# KiCad board uMule_board.kicad_pcb (continued)
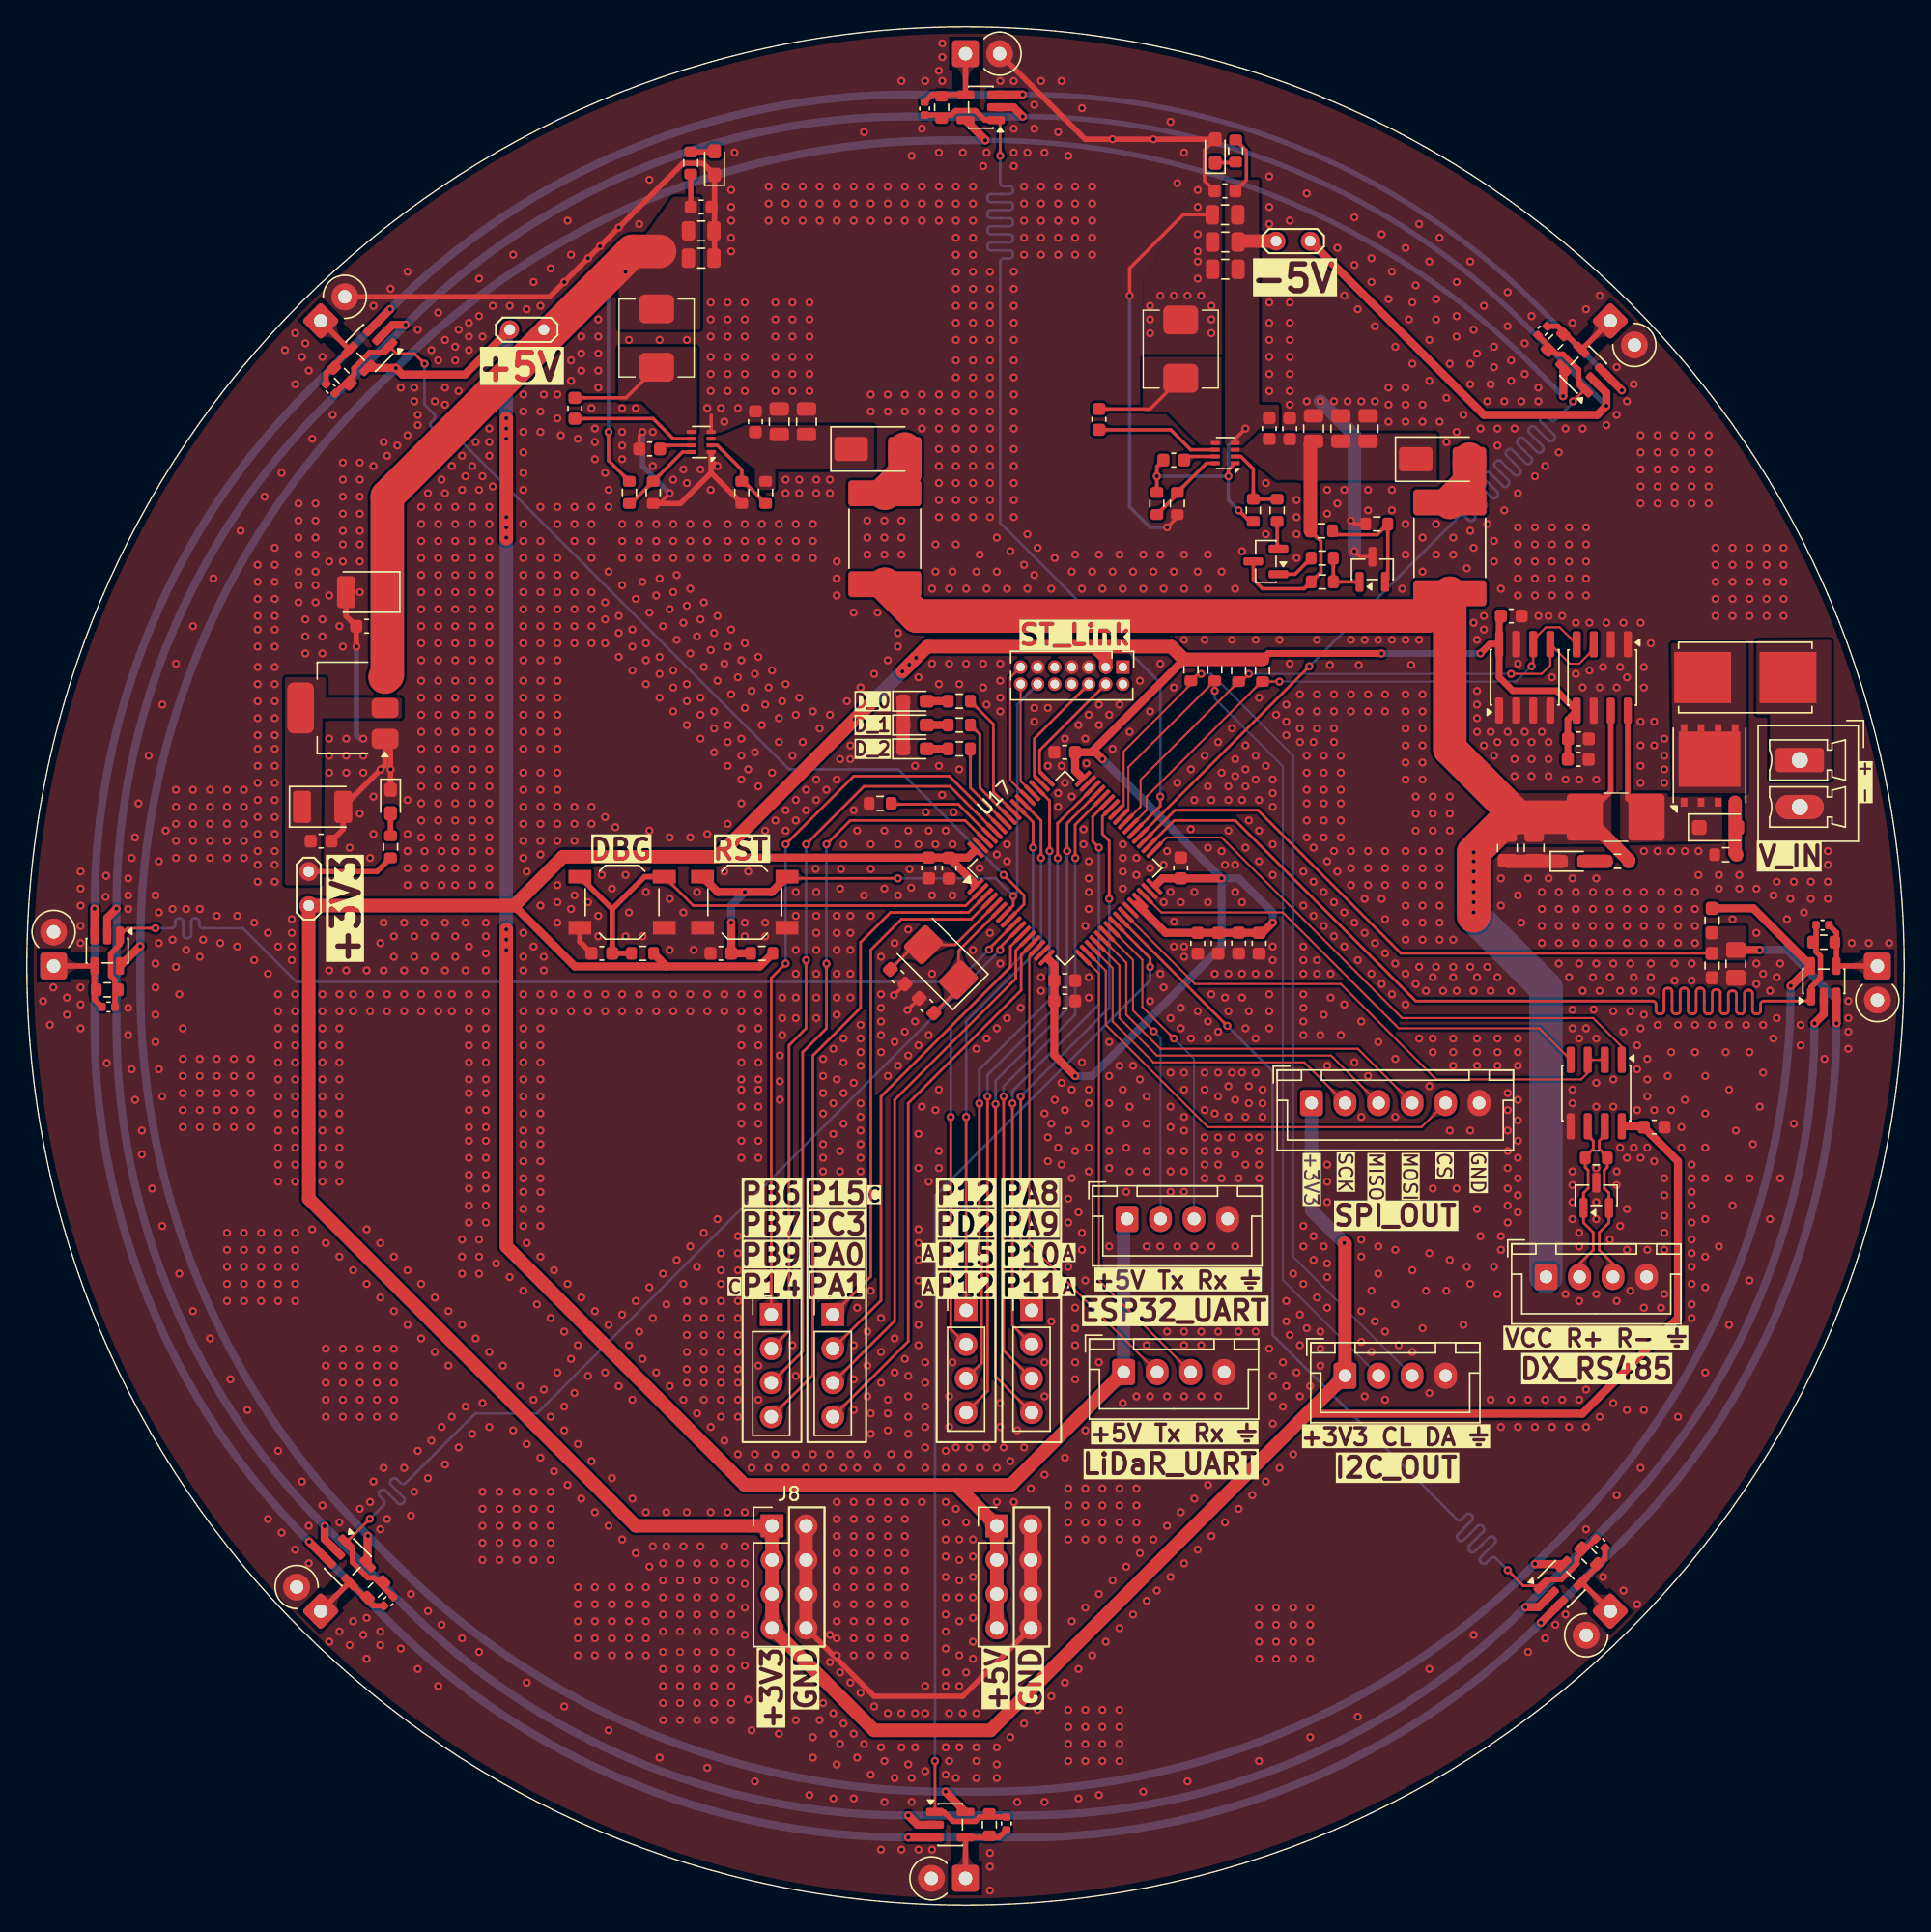
[diagram p0: board, top side]
## Footprints (pads in the part's own frame, mm; a bottom-side part is the same pattern mirrored in y, then rotated)
AO_DFN-8-1EP_5.55x5.2mm_P1.27mm_EP4.12x4.6mm
  rect 0.78x0.9 smd: (-1,1.65) (-1,0.55) (-1,-0.55) (-1,-1.65) (-0.02,1.65) (-0.02,0.55) (-0.02,-0.55) (-0.02,-1.65) (0.96,1.65) (0.96,0.55) (0.96,-0.55) (0.96,-1.65) (1.94,1.65) (1.94,0.55) (1.94,-0.55) (1.94,-1.65)
  rect 0.65x0.5 smd: 1(-2.75,1.905) 2(-2.75,0.635) 3(-2.75,-0.635) 4(-2.75,-1.905)
  rect 4.12x4.6 smd: 5(0.465,0)
  rect 0.55x0.5 smd: 5(2.8,1.905) 5(2.8,0.635) 5(2.8,-0.635) 5(2.8,-1.905)
C_0402_1005Metric
  rrect 0.56x0.62 smd: 1(-0.48,0) 2(0.48,0)
C_0603_1608Metric
  rrect 0.9x0.95 smd: 1(-0.775,0) 2(0.775,0)
C_0805_2012Metric
  rrect 1x1.45 smd: 1(-0.95,0) 2(0.95,0)
C_0805_2012Metric_Pad1.18x1.45mm_HandSolder
  rrect 1.175x1.45 smd: 1(-1.038,0) 2(1.038,0)
CP_EIA-3528-21_Kemet-B
  rrect 1.34x2.39 smd: 1(-1.54,0) 2(1.54,0)
Crystal_SMD_5032-2Pin_5.0x3.2mm
  rrect 2x2.4 smd: 1(-1.85,0) 2(1.85,0)
D_SMA
  rrect 2.5x1.8 smd: 1(-2,0) 2(2,0)
D_SOD-123F
  rrect 1.1x1.1 smd: 1(-1.4,0) 2(1.4,0)
D_T-1_P2.54mm_Vertical_KathodeUp
  rrect 2x2 hole 1: 1(0,0)
  round 2 hole 1: 2(2.54,0)
Fuse_2920_7451Metric
  rrect 1.925x5.45 smd: 1(-3.388,0) 2(3.388,0)
Fuseholder_Littelfuse_Nano2_154x
  rect 4.24x3.81 smd: 1(-3.185,0) 2(3.185,0)
Inductor_TKD_SPM5030VT
  rrect 2.15x2.6 smd: 1(-2.175,0) 2(2.175,0)
JST_XH_B4B-XH-A_1x04_P2.50mm_Vertical
  rrect 1.7x1.95 hole 0.95: 1(0,0)
  oval 1.7x1.95 hole 0.95: 2(2.5,0) 3(5,0) 4(7.5,0)
JST_XH_B6B-XH-A_1x06_P2.50mm_Vertical
  rrect 1.7x1.95 hole 0.95: 1(0,0)
  oval 1.7x1.95 hole 0.95: 2(2.5,0) 3(5,0) 4(7.5,0) 5(10,0) 6(12.5,0)
LED_0603_1608Metric_Pad1.05x0.95mm_HandSolder
  rrect 1.05x0.95 smd: 1(-0.875,0) 2(0.875,0)
LQFP-64_10x10mm_P0.5mm
  rrect 1.55x0.3 smd: 1(-5.675,3.75) 2(-5.675,3.25) 3(-5.675,2.75) 4(-5.675,2.25) 5(-5.675,1.75) 6(-5.675,1.25) 7(-5.675,0.75) 8(-5.675,0.25) 9(-5.675,-0.25) 10(-5.675,-0.75) 11(-5.675,-1.25) 12(-5.675,-1.75) 13(-5.675,-2.25) 14(-5.675,-2.75) 15(-5.675,-3.25) 16(-5.675,-3.75) 33(5.675,-3.75) 34(5.675,-3.25) 35(5.675,-2.75) 36(5.675,-2.25) 37(5.675,-1.75) 38(5.675,-1.25) 39(5.675,-0.75) 40(5.675,-0.25) 41(5.675,0.25) 42(5.675,0.75) 43(5.675,1.25) 44(5.675,1.75) 45(5.675,2.25) 46(5.675,2.75) 47(5.675,3.25) 48(5.675,3.75)
  rrect 0.3x1.55 smd: 17(-3.75,-5.675) 18(-3.25,-5.675) 19(-2.75,-5.675) 20(-2.25,-5.675) 21(-1.75,-5.675) 22(-1.25,-5.675) 23(-0.75,-5.675) 24(-0.25,-5.675) 25(0.25,-5.675) 26(0.75,-5.675) 27(1.25,-5.675) 28(1.75,-5.675) 29(2.25,-5.675) 30(2.75,-5.675) 31(3.25,-5.675) 32(3.75,-5.675) 49(3.75,5.675) 50(3.25,5.675) 51(2.75,5.675) 52(2.25,5.675) 53(1.75,5.675) 54(1.25,5.675) 55(0.75,5.675) 56(0.25,5.675) 57(-0.25,5.675) 58(-0.75,5.675) 59(-1.25,5.675) 60(-1.75,5.675) 61(-2.25,5.675) 62(-2.75,5.675) 63(-3.25,5.675) 64(-3.75,5.675)
PhoenixContact_MCV_1,5_2-G-3.5_1x02_P3.50mm_Vertical
  rrect 1.8x3.6 hole 1.2: 1(0,0)
  oval 1.8x3.6 hole 1.2: 2(3.5,0)
PinHeader_1x04_P2.54mm_Vertical
  rect 1.7x1.7 hole 1: 1(0,0)
  round 1.7 hole 1: 2(0,-2.54) 3(0,-5.08) 4(0,-7.62)
PinHeader_2x04_P2.54mm_Vertical
  rect 1.7x1.7 hole 1: 1(0,0)
  round 1.7 hole 1: 2(2.54,0) 3(0,-2.54) 4(2.54,-2.54) 5(0,-5.08) 6(2.54,-5.08) 7(0,-7.62) 8(2.54,-7.62)
PinHeader_2x07_P1.27mm_Vertical
  rect 1x1 hole 0.65: 1(0,0)
  round 1 hole 0.65: 2(1.27,0) 3(0,-1.27) 4(1.27,-1.27) 5(0,-2.54) 6(1.27,-2.54) 7(0,-3.81) 8(1.27,-3.81) 9(0,-5.08) 10(1.27,-5.08) 11(0,-6.35) 12(1.27,-6.35) 13(0,-7.62) 14(1.27,-7.62)
R_0603_1608Metric
  rrect 0.8x0.95 smd: 1(-0.825,0) 2(0.825,0)
R_0603_1608Metric_Pad0.98x0.95mm_HandSolder
  rrect 0.975x0.95 smd: 1(-0.912,0) 2(0.912,0)
R_Shunt_2512
  rrect 2.7x3.5 smd: 1(-2.3,0) 2(2.3,0)
SOIC-8_3.9x4.9mm_P1.27mm
  rrect 1.95x0.6 smd: 1(-2.475,1.905) 2(-2.475,0.635) 3(-2.475,-0.635) 4(-2.475,-1.905) 5(2.475,-1.905) 6(2.475,-0.635) 7(2.475,0.635) 8(2.475,1.905)
SOT-23
  rrect 1.475x0.6 smd: 1(-0.938,0.95) 2(-0.938,-0.95) 3(0.938,0)
SOT-23-5
  rrect 1.325x0.6 smd: 1(-1.137,0.95) 2(-1.137,0) 3(-1.137,-0.95) 4(1.137,-0.95) 5(1.137,0.95)
SOT-223-3_TabPin2
  rrect 2x1.5 smd: 1(-3.15,2.3) 2(-3.15,0) 3(-3.15,-2.3)
  rrect 2x3.8 smd: 2(3.15,0)
SOT-583-8
  rrect 0.67x0.3 smd: 1(-0.74,0.75) 2(-0.74,0.25) 3(-0.74,-0.25) 4(-0.74,-0.75) 5(0.74,-0.75) 6(0.74,-0.25) 7(0.74,0.25) 8(0.74,0.75)
SW_SPST_TL3342
  rect 1.7x1 smd: 1(-3.15,1.9) 1(3.15,1.9) 2(-3.15,-1.9) 2(3.15,-1.9)
TestPoint_2Pads_Pitch2.54mm_Drill0.8mm
  round 1.4 hole 0.8: 1(0,0) 2(2.54,0)

## Nets
+3V3: C15.1 C16.1 C28.1 C29.1 C30.1 C31.1 C32.1 C33.1 C34.1 C35.1 C38.1 C50.2 C51.1 C52.1 J5.3 J6.1 J7.1 J8.1 J8.3 J8.5 J8.7 JP2.2 R20.1 R21.1 R22.1 R23.1 R38.1 R39.1 U4.5 U7.8 U16.8 U17.1 U17.16 U17.28 U17.29 U17.32 U17.48 U17.64
+5V: J3.1 J4.1 J9.1 J9.3 J9.5 J9.7 JP1.2 R35.2 U8.5 U9.5 U10.5 U11.5 U12.5 U13.5 U14.5 U15.5
-5V: JP3.2 U8.2 U9.2 U10.2 U11.2 U12.2 U13.2 U14.2 U15.2
/Power/+3V3_POW: C13.1 C14.1 JP2.1 R16.1 U2.2
/Power/+5V: C5.1 C6.1 C7.1 C11.1 C12.1 JP1.1 L1.2 R3.1 R15.1 U2.3
/Power/-5V: C22.2 C23.2 C24.2 C25.2 C26.2 C27.2 JP3.1 R11.2 R13.1 R18.2 U5.1 U5.4
GND: C2.2 C3.2 C4.2 C5.2 C6.2 C7.2 C8.2 C9.2 C10.2 C11.2 C12.2 C13.2 C14.2 C15.2 C16.2 C18.2 C19.2 C20.2 C21.2 C23.1 C24.1 C25.1 C26.1 C28.2 C29.2 C30.2 C31.2 C32.2 C33.2 C34.2 C35.2 C36.2 C37.2 C38.2 C39.2 C40.2 C49.2 C50.1 C51.2 C52.2 D4.2 D5.1 D6.1 D7.1 D8.1 D9.1 D10.1 D11.3 J1.2 J2.4 J3.4 J4.4 J5.5 J5.7 J5.11 J6.4 J7.6 J8.2 J8.4 J8.6 J8.8 J9.2 J9.4 J9.6 J9.8 L2.2 P1.2 P2.2 P3.2 P4.2 P5.2 P6.2 P7.2 P8.2 R4.2 R5.2 R6.2 R12.2 R17.1 R19.2 R36.1 SW1.2 SW2.2 U1.1 U1.4 U2.1 U3.3 U4.1 U4.2 U4.6 U7.1 U7.2 U7.3 U7.4 U7.7 U16.5 U17.15 U17.27 U17.31 U17.47 U17.63
VCC: C8.1 C9.1 F2.1 F3.1 J2.1 R1.2 R14.1 U4.7
/Communication/CS: J7.5 U17.18
/Communication/ESP32_RX: J4.3 U17.23
/Communication/ESP32_TX: J4.2 U17.22
/Communication/I2C_SCL: J6.2 R20.2 U17.40
/Communication/I2C_SDA: J6.3 R21.2 U17.41
/Communication/Li-Dar_RX: J3.3 U17.17
/Communication/Li-Dar_TX: J3.2 U17.14
/Communication/RS485+: D11.2 J2.3 R37.1 U16.7
/Communication/RS485-: D11.1 J2.2 R37.2 U16.6
/Communication/RS485_DI: U16.4 U17.30
/Communication/RS485_FC: U16.2 U16.3 U17.26
/Communication/RS485_RO: U16.1 U17.33
/Communication/SPI_MISO: J7.3 U17.20
/Communication/SPI_MOSI: J7.4 U17.21
/Communication/SPI_SCK: J7.2 U17.19
/Communication/SWCLK: J5.6 U17.50
/Communication/SWDIO: J5.4 U17.49
/Communication/VCP_RX: J5.13 U17.53
/Communication/VCP_TX: J5.14 U17.52
/GPIO/GPIO_0: J11.3 U17.12
/GPIO/GPIO_1: J11.4 U17.13
/GPIO/GPIO_2: J13.1 U17.42
/GPIO/GPIO_3: J13.2 U17.43
/GPIO/GPIO_4: J13.3 U17.44
/GPIO/GPIO_5: J13.4 U17.45
/GPIO/GPIO_6: J12.4 U17.46
/GPIO/GPIO_7: J12.3 U17.51
/GPIO/GPIO_8: J10.1 U17.59
/GPIO/GPIO_9: J10.2 U17.60
/GPIO/GPIO_10: J10.3 U17.62
/GPIO/GPIO_11: J11.2 U17.11
/GPIO/GPIO_12: J12.1 U17.54
/GPIO/GPIO_13: J10.4 U17.3
/GPIO/GPIO_14: J11.1 U17.4
/GPIO/GPIO_15: J12.2 U17.55
/MCU/BOOT: R19.1 U17.61
/MCU/DBG_BTN: C39.1 R22.2 SW1.1 U17.2
/MCU/DBG_LED0: R26.1 U17.56
/MCU/DBG_LED1: R25.1 U17.57
/MCU/DBG_LED2: R24.1 U17.58
/MCU/NRST: C40.1 J5.12 R23.2 SW2.1 U17.7
/MCU/PC6/I2C4_SCL: R39.2 U4.4 U7.6 U17.38
/MCU/PC7/I2C4_SDA: R38.2 U4.3 U7.5 U17.39
/Photodiodes/PHO_0: C41.2 R27.2 U8.1 U17.37
/Photodiodes/PHO_1: C42.2 R28.2 U9.1 U17.36
/Photodiodes/PHO_2: C43.2 R29.2 U10.1 U17.34
/Photodiodes/PHO_3: C44.2 R30.2 U11.1 U17.25
/Photodiodes/PHO_4: C45.2 R31.2 U12.1 U17.24
/Photodiodes/PHO_5: C46.2 R32.2 U13.1 U17.10
/Photodiodes/PHO_6: C47.2 R33.2 U14.1 U17.9
/Photodiodes/PHO_7: C48.2 R34.2 U15.1 U17.8
/Photodiodes/V_{REF}: C49.1 R35.1 R36.2 U8.3 U9.3 U10.3 U11.3 U12.3 U13.3 U14.3 U15.3 U17.35
/Power/DC_CONV_IN: C2.1 C3.1 C4.1 D1.1 R2.1 U1.3
/Power/EN_INV: R9.2 R11.1 U5.2
/Power/INV_CONV_IN: C18.1 C19.1 C20.1 C21.1 C22.1 D3.1 Q2.3 R7.2 R10.1 U5.3
/Power/R_SHUNT_+: D2.1 Q1.1 Q1.2 Q1.3 R1.1 U4.8
/Power/VSUP+: F1.1 J1.1
Net-(D1-A): D1.2 F2.2
Net-(D2-A): D2.2 Q1.4 R6.1
Net-(D3-A): D3.2 F3.2
Net-(D4-K): D4.1 R13.2
Net-(D5-A): D5.2 R14.2
Net-(D6-A): D6.2 R15.2
Net-(D7-A): D7.2 R16.2
Net-(D8-A): D8.2 R24.2
Net-(D9-A): D9.2 R25.2
Net-(D10-A): D10.2 R26.2
Net-(P1-K): C41.1 P1.1 R27.1 U8.4
Net-(P2-K): C42.1 P2.1 R28.1 U9.4
Net-(P3-K): C43.1 P3.1 R29.1 U10.4
Net-(P4-K): C44.1 P4.1 R30.1 U11.4
Net-(P5-K): C45.1 P5.1 R31.1 U12.4
Net-(P6-K): C46.1 P6.1 R32.1 U13.4
Net-(P7-K): C47.1 P7.1 R33.1 U14.4
Net-(P8-K): C48.1 P8.1 R34.1 U15.4
Net-(Q1-D): F1.2 Q1.5
Net-(Q2-B): Q2.1 R8.2
Net-(Q2-E): Q2.2 R9.1
Net-(U1-BST): C1.1 U1.6
Net-(U1-EN): R2.2 R4.1 U1.2
Net-(U1-FB): R3.2 R5.1 U1.8
Net-(U1-SS): C10.1 U1.7
Net-(U1-SW): C1.2 L1.1 U1.5
Net-(U3-K): R7.1 R8.1 U3.1
Net-(U3-REF): R10.2 R12.1 U3.2
Net-(U5-BST): C17.1 U5.6
Net-(U5-FB): R17.2 R18.1 U5.8
Net-(U5-SS): C27.1 U5.7
Net-(U5-SW): C17.2 L2.1 U5.5
Net-(U17-PF0): C36.1 U17.5 Y1.2
Net-(U17-PF1): C37.1 U17.6 Y1.1

Pads without a net: J5 1 2 8 9 10

## Via types
v1: diameter 0.6, hole 0.3, Top to Bottom, 3177 vias

## Routing (per net, layer and track width the routed paths; a pad name or vN(x,y) marks a point on that pad's centre or on a via; arc(x,y) is an arc through that point)
+3V3: length 441.6
  Top w0.5: C15.1 114.92,88.37 U4.5 114.09,90.52 110.81,90.52 109.8,91.53 U7.8 ; R39.1 92.59,93.3 v1(101.04,93.3) ; U7.8 109.1,93.99 v1(108.4,93.3) ; U7.8 109.8,95.96 C38.1
  Top w0.6: v1(92.91,73.23) 92.15,72.47 C52.1 84.93,72.47 82.77,74.63 ; 36.34,74.5 40.87,69.97 47.72,69.97 ; 84.18,76.04 84.68,76.53 C30.1 v1(89.1,76.53) ; 51.49,78.14 51.54,78.08 C28.1 70.18,78.08 70.64,78.55 ; v1(78.18,61.8) 76.63,63.35 C32.1 76.63,70.06 76.16,70.52 ; C33.1 70.64,76.2 70.64,76.04 ; 47.72,69.97 R22.1 ; 47.72,69.97 54.66,69.97 R23.1 ; 79.38,85.93 C29.1 78.18,84.56 78.67,84.07 ; 79.38,85.93 79.7,85.93 v1(80.21,85.42) ; 79.38,85.93 86.3,92.85 ; 95.47,36.63 116,36.63 123.13,43.77 123.13,55.44 C50.2 120.52,58.06 U16.8
  Top w1: 80.15,93.8 79.9,93.55 80.46,92.99 J5.3 ; 80.15,93.8 85.35,93.8 86.3,92.85 R39.1 ; 80.15,93.8 67.15,93.8 v1(66.31,92.97) v1(65.8,92.46) v1(65.3,91.95) ; v1(98.24,49.35) 98.3,49.29 J6.1 71.87,13.03 63.19,13.03 J8.7 J8.1 45.41,28.27 21.03,52.66 JP2.2 36.34,74.5 39.98,78.14 51.49,78.14 v1(61.74,88.39) v1(63.14,89.79)
  Bottom w0.5: v1(108.4,93.3) v1(101.04,93.3)
  Bottom w0.6: v1(89.1,76.53) 89.1,71.45 79.45,61.8 v1(78.18,61.8) ; v1(89.1,76.53) v1(80.21,85.42) ; v1(89.1,76.53) 90.37,76.53 92.91,73.99 v1(92.91,73.23)
  Bottom w1: v1(98.24,49.35) 95.8,51.79 J7.1 ; v1(66.31,92.97) v1(61.74,88.39)
  vias: v1(62.54,89.19)
+5V: length 531.2
  Top w0.6: U15.5 27.5,114.58 v1(27.53,114.56) 28,114.09 32.67,114.09 JP1.2 ; 131.58,68.52 v1(131.54,68.52) 131.58,68.52 ; 131.58,68.52 U10.5 ; 131.58,68.52 U10.5 ; U10.5 128.76,74.29 R35.2 ; U13.5 25.42,27.5 v1(25.44,27.53) ; U11.5 112.5,25.42 v1(112.47,25.44) ; v1(114.56,112.47) 114.58,112.5 U9.5 ; U12.5 68.52,8.42 v1(68.52,8.46) ; U8.5 71.48,131.58 v1(71.48,131.54) ; U14.5 8.42,71.48 v1(8.46,71.48)
  Top w1: J9.7 J9.1 69.29,31.32 ; v1(35.76,110.82) v1(35.76,110.06) v1(35.76,103.46) v1(35.76,102.69) v1(35.76,101.93) 35.76,101.85 ; 69.29,31.32 53.54,31.32 35.76,49.1 v1(35.76,71.2) v1(35.76,71.96) v1(35.76,72.72) ; 69.29,31.32 73.38,31.32 J3.1
  Bottom w0.4: v1(114.56,112.47) 112.47,114.56 arc(93.66,127.13) v1(71.48,131.54)
  Bottom w0.6: v1(71.48,131.54) 68.52,131.54 arc(46.34,127.13) v1(27.53,114.56) 25.44,112.47 arc(12.87,93.66) v1(8.46,71.48) 8.46,68.52 arc(12.87,46.34) v1(25.44,27.53) 27.53,25.44 arc(46.34,12.87) v1(68.52,8.46) 71.48,8.46 arc(93.66,12.87) v1(112.47,25.44) 114.56,27.53 arc(127.13,46.34) v1(131.54,68.52)
  Bottom w1: v1(35.76,71.2) v1(35.76,103.46) ; JP1.2 35.76,117.17 v1(35.76,109.3) ; J3.1 81.79,50.9 J4.1
-5V: length 397.2
  Top w0.6: U14.2 6,73.59 v1(6.68,74.27) ; v1(65.73,6.68) 66.41,6 U12.2 ; U13.2 22.21,27.28 v1(22.21,28.25) ; U8.2 73.59,134 v1(74.27,133.32) ; JP3.2 108.66,111.08 117.12,111.08 v1(117.79,111.75) 117.79,112.72 U9.2 ; U11.2 112.72,22.21 v1(111.75,22.21) ; v1(28.25,117.79) 27.28,117.79 U15.2 ; v1(133.32,65.73) 134,66.41 134,67.73
  Bottom w0.4: v1(117.79,111.75) 111.75,117.79 arc(94.56,129.28) v1(74.27,133.32)
  Bottom w0.6: v1(74.27,133.32) 65.73,133.32 arc(45.44,129.28) v1(28.25,117.79) 22.21,111.75 arc(10.72,94.56) v1(6.68,74.27) 6.68,65.73 arc(10.72,45.44) v1(22.21,28.25) 28.25,22.21 arc(45.44,10.72) v1(65.73,6.68) 74.27,6.68 arc(94.56,10.72) v1(111.75,22.21) 117.79,28.25 arc(129.28,45.44) v1(133.32,65.73)
/Power/+3V3_POW: length 6.5
  Top w0.4: R16.1 26.11,77.04 JP2.1
/Power/+5V: length 60.7
  Top w0.254: v1(43.38,109.81) 43.38,107.68 R3.1
  Top w0.4: 49.51,126.57 49.51,129.02 R15.1
  Top w2.5: U2.3 26.88,91.7 26.88,105 45.16,123.27 47.19,123.27
  Bottom w0.254: v1(43.38,109.81) 43.38,120.47 v1(44.65,121.74)
/Power/-5V: length 26.2
  Top w0.254: C27.2 84.27,107.23 v1(84.27,106.5) R18.2 ; R13.1 90.95,130.77 90.95,128.6 C23.2 ; U5.4 90.11,109.3 v1(90.88,110.06) ; v1(90.37,103.96) 91.19,103.14 R11.2 ; U5.1 89.61,106.97 v1(89.61,106.5)
  Top w1: C25.2 90.39,124.03 JP3.1
  Bottom w0.254: v1(89.61,106.5) 89.61,104.73 v1(90.37,103.96) ; v1(89.61,106.5) v1(84.27,106.5) ; v1(89.61,106.5) 89.61,108.79 v1(90.88,110.06)
GND: length 200.6
  Top w0.254: v1(45.92,109.81) 45.67,109.56 C10.2 ; C26.1 86.24,126 82.24,122 v1(82.24,119.97) ; v1(47.95,105.23) 47.19,104.47 R5.2 ; 85.8,103.65 85.8,103.46 v1(85.03,102.69) ; R12.2 99,102.95 v1(98.75,103.2) ; D4.2 87.82,130.82 87.82,128.53 C23.1 ; U1.4 51.03,111.04 ; v1(64.66,67.82) C36.2 ; v1(65.67,66.72) C37.2 ; U1.1 51.03,107.74 v1(51.51,107.27) ; v1(99,100.92) 99.41,100.51 U3.3
  Top w0.4: J9.8 69.79,15.57 63.19,15.57 J8.8 ; 26.7,86.95 U2.1 ; U2.1 26.72,84.98 v1(26.38,84.64) C14.2 23.6,80.19 C13.2 ; U2.1 27.12,86.53 v1(27.12,84.66) D7.1 ; P1.2 78.92,131.62 v1(80.97,131.62) v1(84.02,131.62) D4.2 ; C39.2 41.24,71.81 SW1.2 ; 51.03,106.76 51.03,108.26 ; 51.03,106.76 R4.2 ; 51.03,106.76 48.74,104.47 R5.2 ; C7.2 51.28,122.8 D6.1 50.43,129.83 48.93,129.83 v1(44.14,125.04) v1(42.75,123.64) v1(41.86,122.76) v1(40.08,120.98) 38.98,119.88 P8.2 ; v1(24.58,93.8) 24.57,93.82 C12.2 23.8,96.09 C11.2
  Top w1: J8.2 J8.8 ; C9.2 110.46,77.8 D5.1 ; J9.2 J9.8 ; D8.1 D10.1
  Bottom w0.254: v1(82.24,119.97) 82.24,104.22 83.76,102.69 v1(85.03,102.69)
  Bottom w0.4: 24.84,86.95 24.58,87.2 v1(24.58,93.8) ; v1(45.92,109.81) 45.92,107.27 v1(47.95,105.23)
  Bottom w1: v1(96.46,112.09) 99,109.55 v1(99,100.92)
  vias: v1(1.21,67.39) v1(1.72,65.61) v1(1.98,68.4) v1(2.99,67.64) v1(2.99,66.37) v1(4.01,77.04) v1(4.01,75.77) v1(4.01,74.5) v1(4.01,72.98) v1(4.01,71.71) v1(4.01,68.4) v1(4.01,67.13) v1(4.01,65.36) v1(5.87,75.16) v1(5.91,76.72) v1(5.96,62.76) v1(7.56,76.53) v1(7.56,75.26) v1(7.56,74.25) v1(7.56,66.88) v1(7.56,64.85) v1(7.82,78.06) v1(7.82,62.31) v1(8.07,79.58) v1(8.07,60.02) v1(8.33,82.12) v1(8.58,57.74) v1(8.58,55.96) v1(9.09,85.68) v1(9.34,53.42) v1(9.6,75.26) v1(9.6,70.18) v1(9.6,68.4) v1(9.6,66.37) v1(9.6,64.34) v1(9.85,77.8) v1(9.85,73.99) v1(9.85,71.71) v1(9.85,62.31) v1(10.1,89.49) v1(10.1,60.28) v1(10.1,50.62) v1(10.36,80.09) v1(10.87,74.25) v1(10.87,71.96) v1(11.12,92.53) v1(11.12,83.14) v1(11.12,81.87) v1(11.12,80.6) v1(11.12,79.33) v1(11.12,78.06) v1(11.12,69.93) v1(11.37,67.9) v1(11.37,47.07) v1(11.63,65.36) v1(11.63,63.07) v1(11.63,61.8) v1(11.63,60.53) v1(11.63,59.26) v1(11.63,57.99) v1(11.88,74.25) v1(11.88,71.2) v1(12.39,95.33) v1(12.39,83.14) v1(12.39,81.87) v1(12.39,80.6) v1(12.39,79.33) v1(12.39,78.06) v1(12.39,44.27) v1(12.9,74.25) v1(12.9,70.69) v1(12.9,63.07) v1(12.9,61.8) v1(12.9,60.53) v1(12.9,59.26) v1(12.9,57.99) v1(13.15,71.96) v1(13.66,83.14) v1(13.66,81.87) v1(13.66,80.6) v1(13.66,79.33) v1(13.66,78.06) v1(13.66,42.24) v1(13.91,98.88) v1(14.17,73.74) v1(14.17,63.07) v1(14.17,61.8) v1(14.17,60.53) v1(14.17,59.26) v1(14.17,57.99) v1(14.42,71.71) v1(14.93,83.14) v1(14.93,81.87) v1(14.93,80.6) v1(14.93,79.33) v1(14.93,78.06) v1(14.93,50.12) v1(14.93,48.85) v1(14.93,47.58) v1(14.93,46.31) v1(14.93,45.04) v1(15.18,39.19) v1(15.44,63.07) v1(15.44,61.8) v1(15.44,60.53) v1(15.44,59.26) v1(15.44,57.99) v1(15.69,73.74) v1(15.69,71.45) v1(15.95,102.44) v1(16.2,83.14) v1(16.2,81.87) v1(16.2,80.6) v1(16.2,79.33) v1(16.2,78.06) v1(16.2,50.12) v1(16.2,48.85) v1(16.2,47.58) v1(16.2,46.31) v1(16.2,45.04) v1(16.45,36.91) v1(16.71,63.07) v1(16.71,61.8) v1(16.71,60.53) v1(16.71,59.26) v1(16.71,57.99) v1(16.96,73.23) v1(16.96,70.44) v1(17.22,99.9) v1(17.22,98.63) v1(17.22,97.36) v1(17.22,96.09) v1(17.22,95.07) v1(17.22,93.8) v1(17.22,92.28) v1(17.22,91.01) v1(17.22,89.74) v1(17.22,88.47) v1(17.22,87.2) v1(17.22,86.18) v1(17.22,84.91) v1(17.22,83.64) v1(17.22,82.37) v1(17.22,81.1) v1(17.22,79.83) v1(17.22,78.56) v1(17.22,77.55) v1(17.22,76.28) v1(17.47,50.12) v1(17.47,48.85) v1(17.47,47.58) v1(17.47,46.31) v1(17.47,45.04) v1(17.72,104.98) v1(17.98,72.47) v1(17.98,69.42) v1(17.98,28.78) v1(18.49,101.17) v1(18.49,99.9) v1(18.49,98.63) v1(18.49,97.36) v1(18.49,96.09) v1(18.49,95.07) v1(18.49,93.8) v1(18.49,92.28) v1(18.49,91.01) v1(18.49,89.74) v1(18.49,88.47) v1(18.49,87.2) v1(18.49,86.18) v1(18.49,84.91) v1(18.49,83.64) v1(18.49,82.37) v1(18.49,81.1) v1(18.49,79.83) v1(18.49,78.56) v1(18.49,77.55) v1(18.49,76.28) v1(18.74,71.45) v1(18.74,67.9) v1(18.74,66.63) v1(18.74,65.36) v1(18.74,64.09) v1(18.74,62.82) v1(18.74,61.55) v1(18.74,60.28) v1(18.74,59.01) v1(18.74,57.74) v1(18.74,56.47) v1(18.74,55.2) v1(18.74,53.93) v1(18.74,50.12) v1(18.74,48.85) v1(18.74,47.58) v1(18.74,46.31) v1(18.74,45.04) v1(18.74,33.86) v1(18.99,106.76) v1(18.99,27.76) v1(19.25,115.9) v1(19.76,73.48) v1(19.76,72.47) v1(19.76,71.45) v1(19.76,70.44) v1(20.01,117.17) v1(20.01,113.36) v1(20.01,67.9) v1(20.01,66.63) v1(20.01,65.36) v1(20.01,64.09) v1(20.01,62.82) v1(20.01,61.55) v1(20.01,60.28) v1(20.01,59.01) v1(20.01,57.74) v1(20.01,56.47) v1(20.01,55.2) v1(20.01,53.93) v1(20.01,50.12) v1(20.01,48.85) v1(20.01,47.58) v1(20.01,46.31) v1(20.01,45.04) v1(20.01,26.49) v1(20.26,104.47) v1(20.26,103.2) v1(20.26,101.93) v1(20.26,100.66) v1(20.26,99.39) v1(20.26,98.38) v1(20.26,97.11) v1(20.52,115.39) v1(20.52,31.57) v1(20.77,116.41) v1(20.77,95.84) v1(20.77,94.57) v1(20.77,93.3) v1(21.03,114.38) v1(21.03,28.27) v1(21.03,25.48) v1(21.28,109.3) v1(21.28,50.37) v1(21.53,104.47) v1(21.53,103.2) v1(21.53,101.93) v1(21.53,100.66) v1(21.53,99.39) v1(21.53,98.38) v1(21.53,97.11) v1(22.04,115.39) v1(22.04,95.84) v1(22.04,94.57) v1(22.04,93.3) v1(22.04,67.9) v1(22.04,66.63) v1(22.04,65.36) v1(22.04,64.09) v1(22.04,62.82) v1(22.04,61.55) v1(22.04,60.28) v1(22.04,59.01) v1(22.04,57.74) v1(22.04,56.47) v1(22.04,55.2) v1(22.04,53.93) v1(22.04,29.8) v1(22.3,49.35) v1(22.3,41.48) v1(22.3,40.21) v1(22.3,38.94) v1(22.3,37.67) v1(22.3,36.4) v1(22.55,100.15) v1(22.55,97.61) v1(22.55,86.95) v1(22.55,85.68) v1(22.55,84.41) v1(22.55,69.67) v1(22.55,19.64) v1(22.8,111.08) v1(23.31,95.33) v1(23.31,67.9) v1(23.31,66.63) v1(23.31,65.36) v1(23.31,64.09) v1(23.31,62.82) v1(23.31,61.55) v1(23.31,60.28) v1(23.31,59.01) v1(23.31,57.74) v1(23.31,56.47) v1(23.31,55.2) v1(23.31,53.93) v1(23.31,48.34) v1(23.31,28.53) v1(23.31,20.4) v1(23.57,107.52) v1(23.57,106.25) v1(23.57,104.98) v1(23.57,103.71) v1(23.57,102.44) v1(23.57,101.42) v1(23.57,100.15) v1(23.57,93.8) v1(23.57,41.48) v1(23.57,40.21) v1(23.57,38.94) v1(23.57,37.67) v1(23.57,36.4) v1(23.82,86.95) v1(23.82,85.68) v1(23.82,84.41) v1(23.82,69.67) v1(24.07,78.82) v1(24.07,19.38) v1(24.33,67.9) v1(24.33,66.63) v1(24.33,47.32) v1(24.33,21.16) v1(24.84,107.52) v1(24.84,106.25) v1(24.84,104.98) v1(24.84,103.71) v1(24.84,102.44) v1(24.84,101.42) v1(24.84,100.15) v1(24.84,97.87) v1(24.84,81.36) v1(24.84,41.48) v1(24.84,40.21) v1(24.84,38.94) v1(24.84,37.67) v1(24.84,36.4) v1(24.84,29.54) v1(25.09,86.95) v1(25.09,85.68) v1(25.09,84.41) v1(25.09,20.14) v1(25.34,69.67) v1(25.34,50.37) v1(25.34,46.31) v1(25.34,21.41) v1(25.34,18.37) v1(25.6,78.06) v1(25.6,67.9) v1(25.6,66.63) v1(25.6,30.05) v1(25.85,119.2) v1(25.85,107.27) v1(25.85,82.63) v1(25.85,79.83) v1(25.85,31.57) v1(26.11,41.48) v1(26.11,40.21) v1(26.11,38.94) v1(26.11,37.67) v1(26.11,36.4) v1(26.36,71.71) v1(26.36,49.35) v1(26.36,45.29) v1(26.36,28.02) v1(26.36,20.4) v1(26.36,19.38) v1(26.61,109.04) v1(26.61,73.23) v1(26.61,69.67) v1(26.61,32.59) v1(26.87,108.03) v1(26.87,67.9) v1(26.87,66.63) v1(26.87,28.78) v1(27.12,120.47) v1(27.38,72.21) v1(27.38,70.69) v1(27.38,48.34) v1(27.38,44.27) v1(27.38,41.48) v1(27.38,40.21) v1(27.38,38.94) v1(27.38,37.67) v1(27.38,36.4) v1(27.63,108.79) v1(27.88,113.11) v1(27.88,19.13) v1(28.14,73.23) v1(28.14,69.67) v1(28.14,67.9) v1(28.14,66.63) v1(28.14,32.59) v1(28.39,121.74) v1(28.39,109.55) v1(28.39,82.37) v1(28.39,79.83) v1(28.39,78.56) v1(28.39,77.29) v1(28.39,76.02) v1(28.39,47.32) v1(28.39,43.26) v1(28.65,29.03) v1(28.65,23.19) v1(28.9,113.11) v1(28.9,112.09) v1(28.9,72.21) v1(28.9,70.69) v1(28.9,30.81) v1(29.15,117.43) v1(29.15,111.08) v1(29.15,110.31) v1(29.15,33.86) v1(29.15,17.6) v1(29.41,104.22) v1(29.41,102.95) v1(29.41,101.68) v1(29.41,100.41) v1(29.41,99.14) v1(29.41,97.87) v1(29.41,96.6) v1(29.41,95.33) v1(29.41,94.06) v1(29.41,92.79) v1(29.41,91.26) v1(29.41,89.99) v1(29.41,88.72) v1(29.41,87.45) v1(29.41,86.18) v1(29.41,84.66) v1(29.41,83.39) v1(29.41,82.12) v1(29.41,80.85) v1(29.41,79.58) v1(29.41,67.9) v1(29.41,66.63) v1(29.41,46.31) v1(29.41,42.24) v1(29.66,78.56) v1(29.66,77.29) v1(29.66,76.02) v1(29.66,73.23) v1(29.66,69.67) v1(29.92,105.23) v1(29.92,31.83) v1(29.92,21.92) v1(30.17,115.9) v1(30.17,34.62) v1(30.42,112.09) v1(30.42,72.21) v1(30.42,70.69) v1(30.42,45.29) v1(30.42,41.23) v1(30.68,118.7) v1(30.68,115.14) v1(30.68,104.22) v1(30.68,102.95) v1(30.68,101.68) v1(30.68,100.41) v1(30.68,99.14) v1(30.68,97.87) v1(30.68,96.6) v1(30.68,95.33) v1(30.68,94.06) v1(30.68,92.79) v1(30.68,91.26) v1(30.68,89.99) v1(30.68,88.72) v1(30.68,87.45) v1(30.68,86.18) v1(30.68,84.66) v1(30.68,83.39) v1(30.68,82.12) v1(30.68,80.85) v1(30.68,79.58) v1(30.68,67.9) v1(30.68,66.63) v1(30.68,16.33) v1(30.93,106.25) v1(30.93,78.56) v1(30.93,77.29) v1(30.93,76.02) v1(30.93,35.64) v1(30.93,20.91) v1(31.19,116.66) v1(31.19,113.11) v1(31.19,111.84) v1(31.19,105.23) v1(31.19,73.23) v1(31.19,69.67) v1(31.19,32.84) v1(31.44,44.27) v1(31.44,40.21) v1(31.69,107.27) v1(31.69,67.9) v1(31.69,66.63) v1(31.69,36.4) v1(31.95,116.16) v1(31.95,115.14) v1(31.95,104.22) v1(31.95,102.95) v1(31.95,101.68) v1(31.95,100.41) v1(31.95,99.14) v1(31.95,97.87) v1(31.95,96.6) v1(31.95,95.33) v1(31.95,94.06) v1(31.95,92.79) v1(31.95,91.26) v1(31.95,89.99) v1(31.95,88.72) v1(31.95,87.45) v1(31.95,86.18) v1(31.95,84.66) v1(31.95,83.39) v1(31.95,82.12) v1(31.95,80.85) v1(31.95,79.58) v1(31.95,78.56) v1(31.95,77.29) v1(31.95,76.02) v1(31.95,72.21) v1(31.95,70.69) v1(32.2,117.43) v1(32.2,112.85) v1(32.2,34.11) v1(32.46,108.03) v1(32.46,105.49) v1(32.46,49.61) v1(32.46,48.34) v1(32.46,47.07) v1(32.46,43.26) v1(32.46,19.89) v1(32.71,106.5) v1(32.71,73.23) v1(32.71,69.67) v1(32.71,37.16) v1(32.96,117.93) v1(32.96,116.92) v1(32.96,115.9) v1(32.96,71.45) v1(32.96,67.9) v1(32.96,66.63) v1(32.96,65.36) v1(32.96,64.09) v1(32.96,62.82) v1(32.96,61.55) v1(32.96,60.53) v1(32.96,59.26) v1(32.96,57.99) v1(32.96,56.97) v1(32.96,55.7) v1(32.96,54.43) v1(32.96,53.42) v1(32.96,52.15) v1(32.96,50.88) v1(33.22,107.27) v1(33.22,104.22) v1(33.22,102.95) v1(33.22,101.68) v1(33.22,100.41) v1(33.22,99.14) v1(33.22,97.87) v1(33.22,96.6) v1(33.22,95.33) v1(33.22,94.06) v1(33.22,92.79) v1(33.22,91.26) v1(33.22,89.99) v1(33.22,88.72) v1(33.22,87.45) v1(33.22,86.18) v1(33.22,84.66) v1(33.22,83.39) v1(33.22,82.12) v1(33.22,80.85) v1(33.22,79.58) v1(33.22,78.56) v1(33.22,77.29) v1(33.22,76.02) v1(33.22,35.13) v1(33.47,109.04) v1(33.47,42.24) v1(33.73,121.24) v1(33.73,118.44) v1(33.73,105.49) v1(33.73,49.61) v1(33.73,48.34) v1(33.73,47.07) v1(33.73,18.87) v1(33.98,116.92) v1(33.98,106.5) v1(33.98,37.42) v1(33.98,30.81) v1(33.98,29.54) v1(33.98,28.27) v1(33.98,27) v1(33.98,25.73) v1(34.23,73.23) v1(34.23,72.21) v1(34.23,70.94) v1(34.23,69.67) v1(34.23,67.9) v1(34.23,66.63) v1(34.23,65.36) v1(34.23,64.09) v1(34.23,62.82) v1(34.23,61.55) v1(34.23,60.53) v1(34.23,59.26) v1(34.23,57.99) v1(34.23,56.97) v1(34.23,55.7) v1(34.23,54.43) v1(34.23,53.42) v1(34.23,52.15) v1(34.23,50.88) v1(34.49,110.06) v1(34.49,109.04) v1(34.49,108.03) v1(34.49,104.22) v1(34.49,102.95) v1(34.49,101.68) v1(34.49,100.41) v1(34.49,99.14) v1(34.49,97.87) v1(34.49,96.6) v1(34.49,95.33) v1(34.49,94.06) v1(34.49,92.79) v1(34.49,91.26) v1(34.49,89.99) v1(34.49,88.72) v1(34.49,87.45) v1(34.49,86.18) v1(34.49,84.66) v1(34.49,83.39) v1(34.49,82.12) v1(34.49,80.85) v1(34.49,79.58) v1(34.49,78.56) v1(34.49,77.29) v1(34.49,76.02) v1(34.49,41.23) v1(34.49,35.64) v1(34.74,119.2) v1(34.74,105.74) v1(35,47.83) v1(35.25,30.81) v1(35.25,29.54) v1(35.25,28.27) v1(35.25,27) v1(35.25,25.73) v1(35.5,40.21) v1(36.01,119.2) v1(36.01,46.81) v1(36.27,123.01) v1(36.27,35.38) v1(36.52,30.81) v1(36.52,29.54) v1(36.52,28.27) v1(36.52,27) v1(36.52,25.73) v1(36.77,38.69) v1(37.03,112.6) v1(37.03,111.33) v1(37.03,109.81) v1(37.03,108.28) v1(37.03,106.76) v1(37.03,105.49) v1(37.03,102.95) v1(37.03,101.68) v1(37.03,100.41) v1(37.03,99.14) v1(37.03,97.87) v1(37.03,96.6) v1(37.03,95.33) v1(37.03,94.06) v1(37.03,92.79) v1(37.03,91.26) v1(37.03,89.99) v1(37.03,88.72) v1(37.03,87.45) v1(37.03,86.18) v1(37.03,84.41) v1(37.03,83.14) v1(37.03,81.87) v1(37.03,80.6) v1(37.03,79.33) v1(37.03,78.06) v1(37.03,72.47) v1(37.03,70.69) v1(37.03,69.67) v1(37.03,67.9) v1(37.03,66.63) v1(37.03,65.36) v1(37.03,64.09) v1(37.03,62.82) v1(37.03,61.55) v1(37.03,60.28) v1(37.03,59.01) v1(37.03,57.74) v1(37.03,56.72) v1(37.03,55.45) v1(37.03,54.18) v1(37.03,53.16) v1(37.03,51.89) v1(37.03,50.62) v1(37.03,45.8) v1(37.28,118.95) v1(37.28,77.04) v1(37.28,49.35) v1(37.28,34.37) v1(37.28,16.59) v1(37.79,120.98) v1(37.79,71.45) v1(37.79,37.67) v1(37.79,30.81) v1(37.79,29.54) v1(37.79,28.27) v1(37.79,27) v1(37.79,25.73) v1(38.04,44.78) v1(38.3,119.2) v1(38.3,111.33) v1(38.3,109.81) v1(38.3,104.22) v1(38.3,101.68) v1(38.3,100.41) v1(38.3,99.14) v1(38.3,97.87) v1(38.3,96.6) v1(38.3,95.33) v1(38.3,94.06) v1(38.3,92.79) v1(38.3,91.26) v1(38.3,89.99) v1(38.3,88.72) v1(38.3,87.45) v1(38.3,86.18) v1(38.3,84.41) v1(38.3,83.14) v1(38.3,81.87) v1(38.3,80.6) v1(38.3,79.33) v1(38.3,78.31) v1(38.3,74.5) v1(38.3,67.9) v1(38.3,66.63) v1(38.3,65.36) v1(38.3,64.09) v1(38.3,62.82) v1(38.3,61.55) v1(38.3,60.28) v1(38.3,59.01) v1(38.3,57.74) v1(38.3,56.72) v1(38.3,55.45) v1(38.3,54.18) v1(38.3,53.16) v1(38.3,51.89) v1(38.3,50.62) v1(38.3,48.34) v1(38.3,33.35) v1(38.55,112.6) v1(38.55,70.69) v1(38.55,69.67) v1(38.55,38.43) v1(39.06,122) v1(39.06,43.77) v1(39.06,36.4) v1(39.06,30.81) v1(39.06,29.54) v1(39.06,28.27) v1(39.06,27) v1(39.06,25.73) v1(39.31,67.9) v1(39.31,66.63) v1(39.31,47.32) v1(39.31,32.34) v1(39.57,112.6) v1(39.57,110.82) v1(39.57,104.22) v1(39.57,102.95) v1(39.57,100.41) v1(39.57,99.14) v1(39.57,97.87) v1(39.57,96.6) v1(39.57,95.33) v1(39.57,94.06) v1(39.57,92.79) v1(39.57,91.26) v1(39.57,89.99) v1(39.57,88.72) v1(39.57,87.45) v1(39.57,86.18) v1(39.57,84.41) v1(39.57,83.14) v1(39.57,81.87) v1(39.57,80.6) v1(39.57,79.33) v1(39.57,76.02) v1(39.57,74.75) v1(39.57,73.23) v1(39.57,39.7) v1(39.82,109.55) v1(40.08,42.75) v1(40.08,37.16) v1(40.08,35.38) v1(40.08,14.81) v1(40.33,125.55) v1(40.33,46.31) v1(40.33,31.32) v1(40.58,123.01) v1(40.58,115.14) v1(40.58,113.62) v1(40.58,74.25) v1(40.58,67.9) v1(40.58,66.63) v1(40.58,40.72) v1(40.84,104.22) v1(40.84,102.95) v1(40.84,101.68) v1(40.84,99.14) v1(40.84,97.87) v1(40.84,96.6) v1(40.84,95.33) v1(40.84,94.06) v1(40.84,81.87) v1(40.84,80.6) v1(40.84,79.33) v1(40.84,75.26) v1(40.84,38.18) v1(41.09,109.3) v1(41.09,41.73) v1(41.09,34.37) v1(41.09,23.7) v1(41.09,22.43) v1(41.09,21.16) v1(41.09,19.89) v1(41.09,18.62) v1(41.35,116.92) v1(41.35,115.65) v1(41.35,114.38) v1(41.35,45.29) v1(41.35,30.3) v1(41.85,74.75) v1(41.85,67.9) v1(41.85,66.63) v1(41.85,39.45) v1(42.11,111.58) v1(42.11,104.22) v1(42.11,102.95) v1(42.11,101.68) v1(42.11,100.41) v1(42.11,97.87) v1(42.11,96.6) v1(42.11,95.33) v1(42.11,94.06) v1(42.11,81.87) v1(42.11,80.6) v1(42.11,33.1) v1(42.36,110.06) v1(42.36,109.04) v1(42.36,107.77) v1(42.36,44.27) v1(42.36,29.29) v1(42.36,23.7) v1(42.36,22.43) v1(42.36,21.16) v1(42.36,19.89) v1(42.36,18.62) v1(42.62,118.19) v1(42.62,116.92) v1(42.62,115.65) v1(42.62,114.38) v1(42.62,113.11) v1(42.62,73.74) v1(42.62,72.21) v1(42.87,76.79) v1(43.12,106.76) v1(43.12,97.11) v1(43.12,95.84) v1(43.12,94.06) v1(43.12,81.1) v1(43.12,67.9) v1(43.12,66.63) v1(43.12,39.7) v1(43.38,105.49) v1(43.38,104.22) v1(43.38,99.39) v1(43.38,43.26) v1(43.38,28.27) v1(43.38,13.03) v1(43.63,75.77) v1(43.63,31.83) v1(43.63,23.7) v1(43.63,22.43) v1(43.63,21.16) v1(43.63,19.89) v1(43.63,18.62) v1(43.89,80.34) v1(44.14,96.09) v1(44.14,94.82) v1(44.14,93.04) v1(44.14,38.69) v1(44.39,111.58) v1(44.39,109.81) v1(44.39,108.79) v1(44.39,107.77) v1(44.39,102.95) v1(44.39,101.68) v1(44.39,100.41) v1(44.39,98.38) v1(44.39,67.9) v1(44.39,66.63) v1(44.39,44.02) v1(44.39,27.26) v1(44.65,76.79) v1(44.65,72.21) v1(44.9,116.66) v1(44.9,73.99) v1(44.9,41.73) v1(44.9,23.7) v1(44.9,22.43) v1(44.9,21.16) v1(44.9,19.89) v1(44.9,18.62) v1(45.16,95.07) v1(45.16,93.8) v1(45.16,92.03) v1(45.16,37.67) v1(45.16,30.3) v1(45.41,111.58) v1(45.41,97.36) v1(45.41,45.04) v1(45.41,26.24) v1(45.66,125.3) v1(45.66,102.95) v1(45.66,101.68) v1(45.66,100.41) v1(45.66,67.9) v1(45.66,66.63) v1(45.66,42.75) v1(45.92,98.63) v1(45.92,72.21) v1(45.92,40.72) v1(46.17,94.06) v1(46.17,92.79) v1(46.17,91.01) v1(46.17,75.52) v1(46.17,29.29) v1(46.17,23.7) v1(46.17,22.43) v1(46.17,21.16) v1(46.17,19.89) v1(46.17,18.62) v1(46.43,128.6) v1(46.43,96.34) v1(46.43,80.09) v1(46.43,46.05) v1(46.43,25.22) v1(46.68,109.81) v1(46.68,107.27) v1(46.68,43.77) v1(46.68,26.75) v1(46.93,102.95) v1(46.93,101.68) v1(46.93,100.41) v1(46.93,97.61) v1(46.93,67.9) v1(46.93,66.63) v1(46.93,39.7) v1(47.19,116.66) v1(47.19,98.88) v1(47.19,93.04) v1(47.19,91.77) v1(47.19,89.99) v1(47.19,11) v1(47.44,95.33) v1(47.44,47.07) v1(47.44,25.48) v1(47.44,24.21) v1(47.44,22.94) v1(47.44,21.67) v1(47.44,20.4) v1(47.44,18.87) v1(47.44,17.6) v1(47.44,16.33) v1(47.44,15.06) v1(47.44,13.79) v1(47.7,44.78) v1(47.7,29.29) v1(47.7,26.75) v1(47.95,96.6) v1(47.95,79.58) v1(47.95,75.01) v1(47.95,71.2) v1(47.95,38.69) v1(48.2,106.25) v1(48.2,102.95) v1(48.2,101.68) v1(48.2,100.41) v1(48.2,97.87) v1(48.2,92.03) v1(48.2,90.76) v1(48.2,88.98) v1(48.2,67.9) v1(48.2,66.63) v1(48.46,99.14) v1(48.46,94.31) v1(48.46,48.08) v1(48.71,25.48) v1(48.71,24.21) v1(48.71,22.94) v1(48.71,21.67) v1(48.71,20.4) v1(48.71,18.87) v1(48.71,17.6) v1(48.71,16.33) v1(48.71,15.06) v1(48.71,13.79) v1(48.97,107.01) v1(48.97,95.58) v1(48.97,73.99) v1(48.97,46.31) v1(48.97,37.67) v1(48.97,26.75) v1(49.22,116.66) v1(49.22,106) v1(49.22,96.85) v1(49.22,91.01) v1(49.22,89.74) v1(49.22,87.96) v1(49.22,45.04) v1(49.22,43.77) v1(49.22,42.5) v1(49.22,41.23) v1(49.22,39.96) v1(49.22,38.94) v1(49.22,29.29) v1(49.47,102.95) v1(49.47,101.68) v1(49.47,100.41) v1(49.47,98.12) v1(49.47,93.3) v1(49.47,79.58) v1(49.47,67.9) v1(49.47,66.63) v1(49.47,49.1) v1(49.73,71.2) v1(49.98,94.57) v1(49.98,75.52) v1(49.98,47.58) v1(49.98,36.65) v1(49.98,25.48) v1(49.98,24.21) v1(49.98,22.94) v1(49.98,21.67) v1(49.98,20.4) v1(49.98,18.87) v1(49.98,17.6) v1(49.98,16.33) v1(49.98,15.06) v1(49.98,13.79) v1(50.24,107.01) v1(50.24,95.84) v1(50.24,89.99) v1(50.24,88.72) v1(50.24,86.95) v1(50.24,26.75) v1(50.49,97.11) v1(50.49,92.28) v1(50.49,50.12) v1(50.49,45.04) v1(50.49,43.77) v1(50.49,42.5) v1(50.49,41.23) v1(50.49,39.96) v1(50.49,38.94) v1(50.49,37.67) v1(50.74,111.58) v1(50.74,102.95) v1(50.74,101.68) v1(50.74,100.41) v1(50.74,79.83) v1(50.74,67.9) v1(50.74,66.63) v1(50.74,10.24) v1(51,119.46) v1(51,118.19) v1(51,116.92) v1(51,115.39) v1(51,114.12) v1(51,112.85) v1(51,105.49) v1(51,93.55) v1(51,35.64) v1(51,29.29) v1(51.25,94.82) v1(51.25,88.98) v1(51.25,87.71) v1(51.25,85.93) v1(51.25,25.48) v1(51.25,24.21) v1(51.25,22.94) v1(51.25,21.67) v1(51.25,20.4) v1(51.25,18.87) v1(51.25,17.6) v1(51.25,16.33) v1(51.25,15.06) v1(51.25,13.79) v1(51.51,96.09) v1(51.51,91.26) v1(51.51,51.13) v1(51.76,111.58) v1(51.76,48.59) v1(51.76,47.32) v1(51.76,46.31) v1(51.76,45.04) v1(51.76,43.77) v1(51.76,42.5) v1(51.76,41.23) v1(51.76,39.96) v1(51.76,38.94) v1(51.76,37.67) v1(51.76,36.4) v1(52.01,110.57) v1(52.01,92.53) v1(52.01,77.04) v1(52.01,67.9) v1(52.01,66.63) v1(52.01,34.62) v1(52.01,26.75) v1(52.27,119.46) v1(52.27,118.19) v1(52.27,116.92) v1(52.27,115.39) v1(52.27,114.12) v1(52.27,112.85) v1(52.27,102.95) v1(52.27,101.68) v1(52.27,100.41) v1(52.27,93.8) v1(52.27,87.96) v1(52.27,86.69) v1(52.27,84.91) v1(52.27,80.6) v1(52.27,29.29) v1(52.52,127.84) v1(52.52,126.57) v1(52.52,125.55) v1(52.52,124.28) v1(52.52,123.27) v1(52.52,95.07) v1(52.52,90.25) v1(52.52,25.48) v1(52.52,24.21) v1(52.52,22.94) v1(52.52,21.67) v1(52.52,20.4) v1(52.52,18.87) v1(52.52,17.6) v1(52.52,16.33) v1(52.52,15.06) v1(52.52,13.79) v1(52.78,130.63) v1(53.03,111.58) v1(53.03,91.52) v1(53.03,49.86) v1(53.03,48.59) v1(53.03,47.32) v1(53.03,45.04) v1(53.03,43.77) v1(53.03,42.5) v1(53.03,41.23) v1(53.03,39.96) v1(53.03,38.94) v1(53.03,37.67) v1(53.03,36.4) v1(53.03,33.61) v1(53.28,92.79) v1(53.28,86.95) v1(53.28,85.68) v1(53.28,83.9) v1(53.28,82.12) v1(53.28,67.9) v1(53.28,66.63) v1(53.28,65.36) v1(53.28,64.09) v1(53.28,62.82) v1(53.28,61.55) v1(53.28,60.78) v1(53.28,59.51) v1(53.28,58.24) v1(53.28,56.97) v1(53.28,55.7) v1(53.54,119.46) v1(53.54,118.19) v1(53.54,116.92) v1(53.54,115.39) v1(53.54,114.12) v1(53.54,112.85) v1(53.54,102.95) v1(53.54,101.68) v1(53.54,100.41) v1(53.54,94.06) v1(53.54,89.23) v1(53.54,73.23) v1(53.54,72.21) v1(53.54,29.29) v1(53.54,26.75) v1(53.54,25.48) v1(53.54,23.95) v1(53.54,22.18) v1(53.54,20.14) v1(53.54,17.86) v1(53.79,84.66) v1(53.79,77.04) v1(53.79,15.32) v1(54.05,90.5) v1(54.05,32.59) v1(54.05,13.03) v1(54.3,91.77) v1(54.3,85.93) v1(54.3,33.61) v1(54.3,9.22) v1(54.55,93.04) v1(54.55,83.39) v1(54.55,67.9) v1(54.55,66.63) v1(54.55,65.36) v1(54.55,64.09) v1(54.55,62.82) v1(54.55,61.55) v1(54.55,60.78) v1(54.55,59.51) v1(54.55,58.24) v1(54.55,56.97) v1(54.55,55.7) v1(54.55,40.21) v1(54.55,37.67) v1(54.81,102.95) v1(54.81,101.68) v1(54.81,100.41) v1(54.81,87.96) v1(55.06,89.49) v1(55.06,80.09) v1(55.06,73.23) v1(55.06,72.21) v1(55.32,128.09) v1(55.32,126.82) v1(55.32,125.55) v1(55.32,90.76) v1(55.32,32.59) v1(55.57,92.03) v1(55.57,84.41) v1(55.82,119.46) v1(55.82,118.19) v1(55.82,116.92) 